# Altium PCB eElements.PcbDoc (continued)
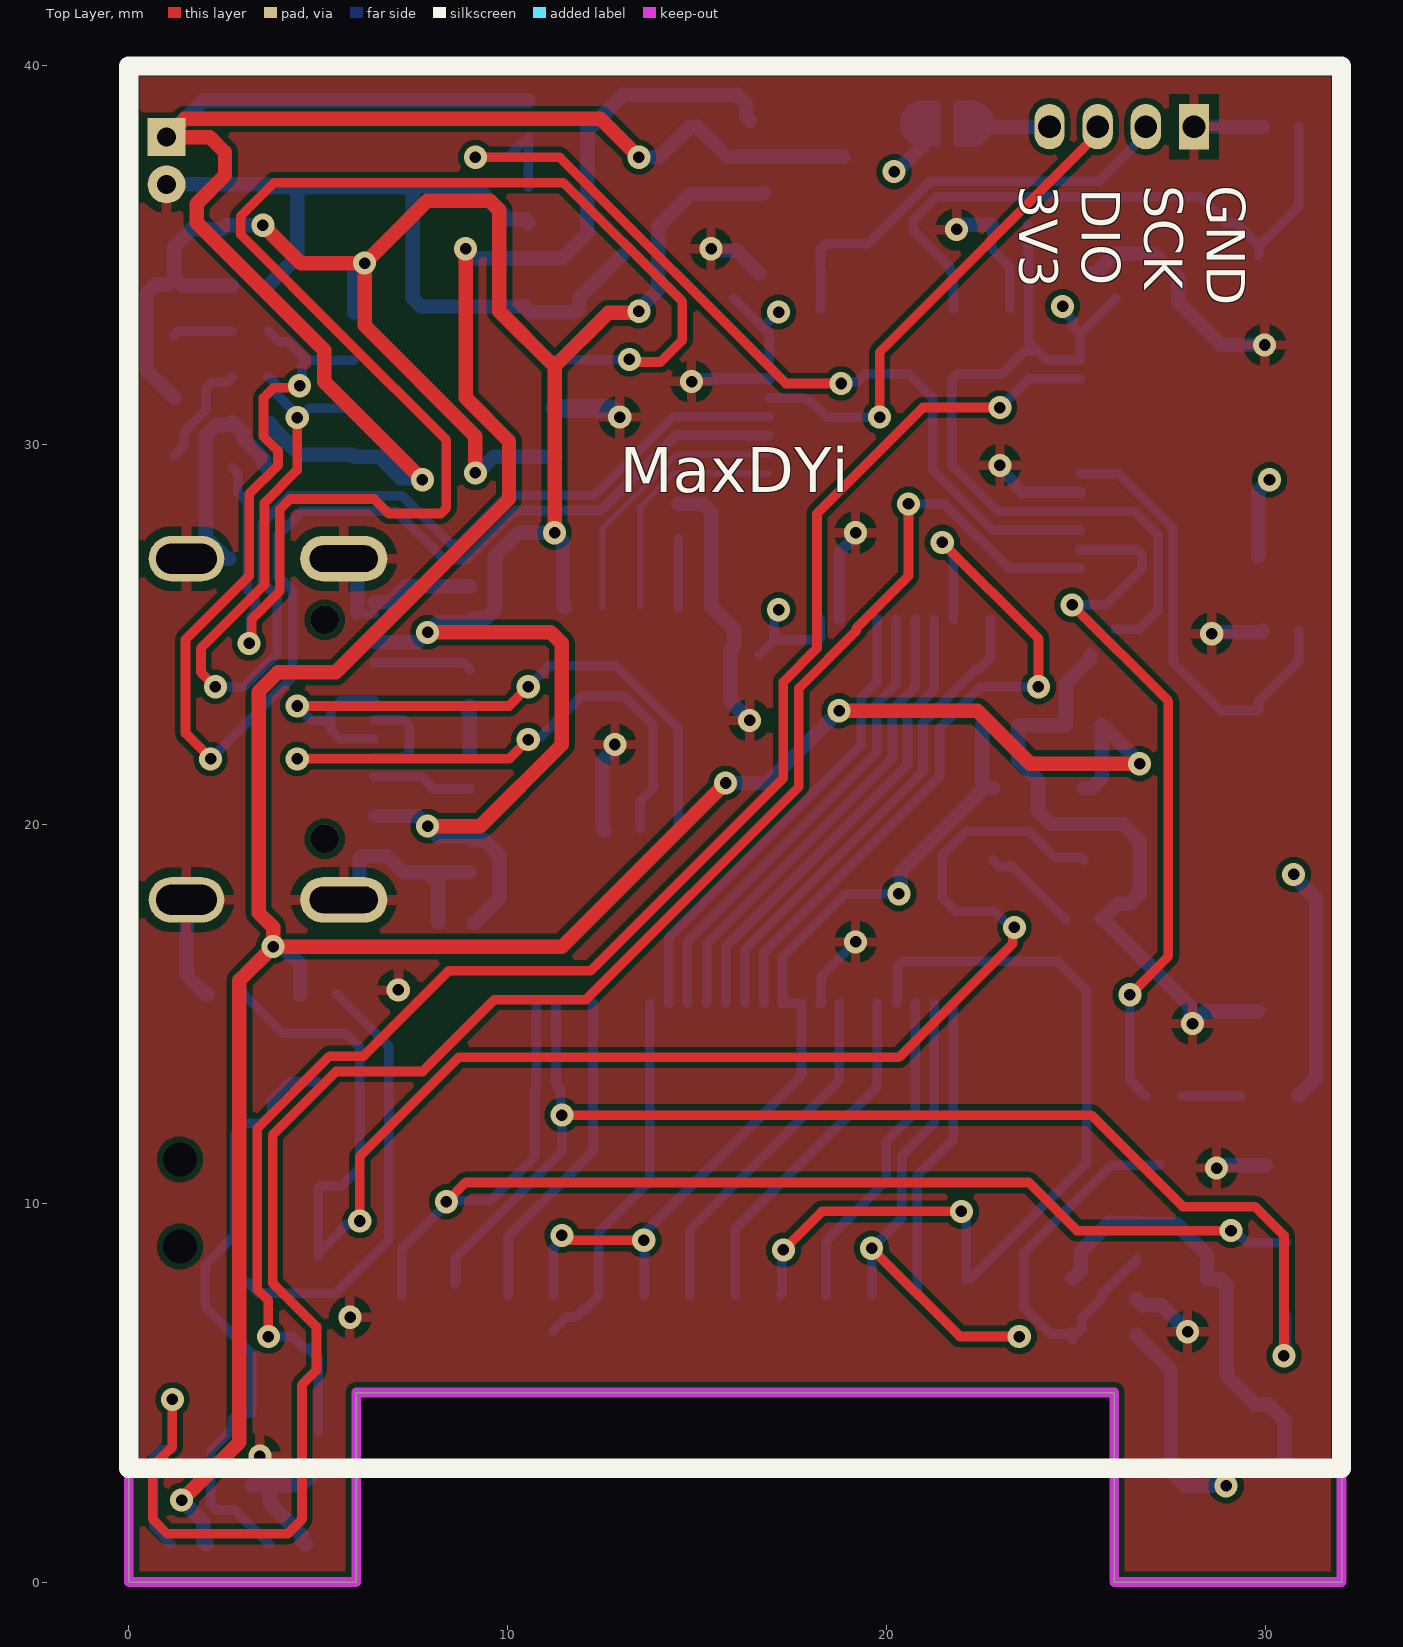
[diagram p0: Top Layer view]
## Footprints (in the part's own frame and the unit in brackets; to place one, negate y for a bottom-side part, rotate by r counter-clockwise, add the part's x,y. Pads: shape width x height; smd on the part's side, far side on the other; paste and mask are expansions set on the pad) (continued)
DEBUG_B [mm] "调试断点焊盘"
  round 0.6 smd paste-0.6: 1(-0.635,0) 2(0.635,0)
  Top Layer region: -0.254,0.508 -0.762,0.508 -0.908,0.479 -1.031,0.396 -1.114,0.273 -1.143,0.127 -1.143,0.127 -1.143,0 -1.104,-0.194 -0.994,-0.359 -0.829,-0.469 -0.635,-0.508 -0.635,-0.508 -0.254,-0.508
  Top Layer region: 0.254,-0.508 0.762,-0.508 0.908,-0.479 1.031,-0.396 1.114,-0.273 1.143,-0.127 1.143,-0.127 1.143,0 1.104,0.194 0.994,0.359 0.829,0.469 0.635,0.508 0.635,0.508 0.254,0.508
  Top Layer lines w0.203: 0.672,-0.507 cw(c0.635,0) 0.635,-0.508 0.254,-0.508 0.254,0.508 0.635,0.508 cw(c0.635,0) 0.672,-0.507 ; -0.254,-0.508 -0.254,0 -0.254,0.508 -0.635,0.508 ccw(c-0.635,0) -0.91,0.427 ccw(c-0.635,0) -1.143,0 ccw(c-0.635,0) -0.635,-0.508 -0.254,-0.508
FPC0.5-WT-24P-上接 [mm]
  rect 2.2x3.3 smd: 0(-7.401,-1.266) 0(7.401,-1.259)
  rect 0.3x1.2 smd: 1(5.75,1.266) 2(5.251,1.266) 3(4.75,1.266) 4(4.25,1.266) 5(3.75,1.266) 6(3.249,1.266) 7(2.749,1.266) 8(2.25,1.266) 9(1.751,1.266) 10(1.25,1.266) 11(0.75,1.266) 12(0.25,1.266) 13(-0.251,1.266) 14(-0.75,1.266) 15(-1.25,1.266) 16(-1.749,1.266) 17(-2.25,1.266) 18(-2.75,1.266) 19(-3.251,1.266) 20(-3.751,1.266) 21(-4.251,1.266) 22(-4.749,1.266) 23(-5.25,1.266) 24(-5.75,1.266)
  silkscreen extent -9,-4.8 9,1.46, body extent -8.8,-4.08 8.8,1.12, height 2.01
HDR1.27-LI-4P [mm] "直插，脚距：1.27mm  封装库来自淘宝卖家 ID：黄晶宝石"
  rect 0.8x1.2 hole 0.6: 1(-1.905,0)
  oval 0.8x1.2 hole 0.6: 2(-0.635,0) 3(0.635,0) 4(1.905,0)
  silkscreen extent -2.67,-1.27 2.67,1.27, body extent -2.54,-1.2 2.54,1.2, height 4.48
LED0603_R [mil] "红色0603LED"
  rect 30x30 smd: 1(-30,0) 2(30,0)
  silkscreen extent -53,-23 61,23, body extent -31,-16 31,16, height 18
LQFP48_M [mm] "Thin QFP, 48-Leads, Body 7x7mm, Pitch 0.5mm, IPC Low Density  联系卖家 免费查找封装"
  oval 2.1x0.3 smd: 1(-4.1,2.75) 2(-4.1,2.25) 3(-4.1,1.75) 4(-4.1,1.25) 5(-4.1,0.75) 6(-4.1,0.25) 7(-4.1,-0.25) 8(-4.1,-0.75) 9(-4.1,-1.25) 10(-4.1,-1.75) 11(-4.1,-2.25) 12(-4.1,-2.75) 25(4.1,-2.75) 26(4.1,-2.25) 27(4.1,-1.75) 28(4.1,-1.25) 29(4.1,-0.75) 30(4.1,-0.25) 31(4.1,0.25) 32(4.1,0.75) 33(4.1,1.25) 34(4.1,1.75) 35(4.1,2.25) 36(4.1,2.75)
  oval 0.3x2.1 smd: 13(-2.75,-4.1) 14(-2.25,-4.1) 15(-1.75,-4.1) 16(-1.25,-4.1) 17(-0.75,-4.1) 18(-0.25,-4.1) 19(0.25,-4.1) 20(0.75,-4.1) 21(1.25,-4.1) 22(1.75,-4.1) 23(2.25,-4.1) 24(2.75,-4.1) 37(2.75,4.1) 38(2.25,4.1) 39(1.75,4.1) 40(1.25,4.1) 41(0.75,4.1) 42(0.25,4.1) 43(-0.25,4.1) 44(-0.75,4.1) 45(-1.25,4.1) 46(-1.75,4.1) 47(-2.25,4.1) 48(-2.75,4.1)
  silkscreen extent -4.23,-2.65 2.65,3.57, body extent -4.5,-4.5 4.5,4.5, height 1.45
MX1.25-W-2P [mm] "长：4.25mm，宽：1.8mm，高：3.3mm"
  rect 1x1 hole 0.5: 1(-0.625,0)
  round 1 hole 0.5: 2(0.625,0)
  silkscreen extent -2.24,-4.19 2.24,0.85, body extent -2.12,-4.05 2.13,0.85, height 3.35
R0402_M [mm] "1/16W贴片电阻"
  rect 0.6x0.55 smd: 1(-0.475,0) 2(0.475,0)
  silkscreen extent -0.97,-0.48 0.97,0.48, body extent -0.5,-0.25 0.5,0.25, height 0.3
R0603_M [mm] "1/10W贴片电阻"
  rect 0.9x0.85 smd: 1(-0.775,0) 2(0.775,0)
  silkscreen extent -1.48,-0.69 1.48,0.69, body extent -0.8,-0.4 0.8,0.4, height 0.4
SOD-323 [mm] "1.8x1.3X0.9mm（长宽高，不包括引脚）联系卖家 免费查找封装"
  rect 1x0.8 smd: 1(-1.4,0)
  oct 1x0.8 smd: 2(1.4,0)
  silkscreen extent -2.11,-0.76 2.11,0.76, body extent -1.32,-0.65 1.32,0.65, height 0.95
SOIC-8_EP [mm] "5*6*1.8mm（长宽高)         联系卖家 免费查找封装"
  oval 1.8x0.61 smd: 1(-2.65,1.905) 2(-2.65,0.635) 3(-2.65,-0.635) 4(-2.65,-1.905) 5(2.65,-1.905) 6(2.65,-0.635) 7(2.65,0.635) 8(2.65,1.905)
  rect 2.413x3.048 smd paste-2: 9(0,0)
  rect 0.9x0.7 on Bottom Paste: 10(-0.625,-1.1) 10(-0.625,0) 10(-0.625,1.1) 11(0.65,-1.1) 11(0.65,0) 11(0.65,1.1)
  silkscreen extent -2.69,-2.5 1.52,3.2, body extent -3,-2.5 3,2.5, height 1.53
SOP10_M [mm] "4.9*6*1.5mm（长宽高）"
  rect 2.1x0.6 smd: 1(-2.921,2)
  oval 2.1x0.6 smd: 2(-2.921,1) 3(-2.921,0) 4(-2.921,-1) 5(-2.921,-2) 6(2.921,-2) 7(2.921,-1) 8(2.921,0) 9(2.921,1) 10(2.921,2)
  silkscreen extent -2.69,-2.5 1.52,3.2, body extent -3,-2.45 3,2.45, height 1.55
SOT23-3N [mm] "SOT23, 3-Leads, Body 2.9x1.3mm, Pitch 0.95mm, Lead Span 2.4mm, IPC Medium Density  联系卖家 免费查找封装"
  rect 1.3x0.6 smd: 1(-1.05,0.95) 2(-1.05,-0.95) 3(1.05,0)
  silkscreen extent -1.18,-1.5 0.7,1.92, body extent -1.2,-1.5 1.2,1.5, height 1.05
SOT-23-5 [mm] "SOT23, 5-Leads, Body 2.9x1.6mm, Pitch 0.95mm, IPC Medium Density"
  rect 1.05x0.6 smd: 1(-1.2,0.95) 2(-1.2,0) 3(-1.2,-0.95) 4(1.2,-0.95) 5(1.2,0.95)
  silkscreen extent -1.32,-1.55 0.3,1.92, body extent -1.4,-1.5 1.4,1.5, height 1.15
"SW 3*6*4.3-S-W" [mm] "侧立贴片3*6*4.3"
  rect 1.1x1.5 smd: 0(-3.575,-0.25) 0(3.575,-0.25)
  round 0 hole 0.9: 0(-1.15,0) 0(1.15,0)
  rect 0.8x1.5 smd: 1(2.1,1.75) 2(-2.1,1.75)
  silkscreen extent -3.9,-1.78 3.9,1.91, body extent -3.9,-1.79 3.9,1.91, height 3.51
"SW SMD-3*6*2.5" [mm] "3*6*2.5mm"
  rect 2x1.5 smd: 1(-3.996,-0.02) 2(3.937,0)
  silkscreen extent -3.21,-1.9 3.09,1.9, body extent -4,-1.75 4,1.75, height 2.59
SWPA4030 [mm] "轮廓4mm*4mm ，焊盘间距1.9mm          淘宝ID:黄晶宝石"
  rect 1.1x3.7 smd: 1(-1.5,0) 2(1.5,0)
  silkscreen extent -2.5,-2.5 2.5,2.5, body extent -2,-2 2,2, height 3
USB-C-SMD_16P [mm] "封装库来自淘宝ID:黄晶宝石"
  oval 1.2x2.3 hole 0.7 slot 1.8 at 90 deg: 0(-4.5,-1.675) 0(4.5,-1.675)
  oval 1.2x2 hole 0.8 slot 1.6 at 90 deg: 0(-4.5,2.475) 0(4.5,2.475)
  rect 0.3x1.15 smd: A1(3.35,-2.473) A4(2.55,-2.471) A5(1.25,-2.475) A6(0.25,-2.475) A7(-0.25,-2.473) A9(-2.55,-2.475) A12(-3.35,-2.475) B1(-3.05,-2.475) B4(-2.25,-2.475) B5(-1.75,-2.475) B6(-0.75,-2.475) B7(0.75,-2.473) B9(2.25,-2.471) B12(3.05,-2.473)
  rect 0.3x1.148 smd: A8(1.75,-2.475) B8(-1.25,-2.475)
  round 0.75 hole 0.75 unplated: ""(-2.89,-1.175) ""(2.89,-1.175)
  silkscreen extent -4.56,-2.75 4.5,5.08, body extent -4.44,-2.87 4.5,5.03, height 3.25

## Part data
C2 C4 C5 C6 C7 C8 C9 C10 C11 C12 C13 C14 C15 C16 C17 C18 C19 C20 C21 C22 C23 C24 C25 C26 C27: library part C, "贴片电容/MLCC电容", BOM名称=无极性贴片电容, 当前库版本V2022.12.25 @淘宝卖家:黄晶宝石=最新版本发布https://shop463601444.taobao.com
D1 D2 D3 D4 D5 D6 D7: library part 1N5819, "肖特基二极管", BOM名称=肖特基二极管, 当前库版本V2022.12.25 @淘宝卖家:黄晶宝石=最新版本发布https://shop463601444.taobao.com
DE1: library part DEBUG, "调试断点焊盘", BOM名称=调试断点焊盘, 联系下单店铺卖家 免费技术支持="联系下单店铺卖家 免费帮你查找封装"
IC1: "锂电池充电管理", BOM名称=锂电池充电管理, 当前库版本V2022.12.25 @淘宝卖家:黄晶宝石=最新版本发布https://shop463601444.taobao.com
JP1: library part EPD-1.54, "2.54寸墨水屏24P连接器（上接点或上下接点24PIN的0.5mmFPC插座）", BOM名称=1.54寸墨水屏, 封装库来自淘宝卖家：黄晶宝石=获取最新版本https://shop463601444.taobao.com
JP2: library part "Header 2", "2P连接器", BOM名称=2P连接器, 联系卖家 免费技术支持=封装库来自淘宝卖家ID：黄晶宝石
JP3: library part "Header 4", "4P连接器", BOM名称=4P连接器, 联系卖家 免费查找封装=唯一出售店铺网址https://shop463601444.taobao.com
L1: library part L, "贴片小功率电感", BOM名称=小功率贴片电感, 联系下单店铺卖家 免费帮你查找封装="联系下单店铺卖家 免费技术支持"
LED1 LED2 LED3: library part LED, "贴片LED", BOM名称=贴片LED, 封装库来自淘宝卖家：黄晶宝石=其他店铺购入均为盗版封装库，无更新权益，请立即申请退款，本店现金奖励200~1000元
Q1 Q3: "N沟道 30V/4.2A", BOM名称=场效应管, 参数="N沟道 30V/4.2A", 联系下单店铺卖家 免费帮你查找封装="联系下单店铺卖家 免费技术支持"
Q2: "P沟道 30V/4.2A", BOM名称=场效应管, 参数="P沟道 30V/4.2A", 联系下单店铺卖家 免费帮你查找封装="联系下单店铺卖家 免费技术支持"
R1 R2 R3 R4 R5 R6 R7 R8 R9 R10 R11 R12 R13 R14 R15 R16 R17 R18 R19: library part R, "贴片电阻", BOM名称=贴片电阻, 联系下单店铺卖家 免费帮你查找封装="联系下单店铺卖家 免费技术支持"
SW1 SW2 SW3: library part SW-PB, "微动开关", BOM名称=3x6轻触开关, 联系下单店铺卖家 免费技术支持="联系下单店铺卖家 免费帮你查找封装"
U1: "Ultra-low-power with FPU Arm Cortex-M4 MCU 80 MHz with 256 Kbytes of Flash memory", Mfr_Name=STMicroelectronics, RefDes=RefDes, Type=Type
U2: "LDO 3.3V/0.3A", BOM名称=RT9193-30GB, 当前库版本V2022.12.25 @淘宝卖家:黄晶宝石=最新版本发布https://shop463601444.taobao.com
U3: "USB转串口芯片, 内置晶振", 封装库来自淘宝卖家：黄晶宝石=其他店铺购入均为盗版封装库，无更新权益，退款现金奖励200~1000元, 当前库版本V2022.12.25 @淘宝卖家:黄晶宝石=最新版本发布https://shop463601444.taobao.com, 芯片厂商=WCH(南京沁恒)
USBC1: library part USB2.0_Type-C_16Pin, "USB2.0_Type-C_16Pin母座", 当前库版本V2022.12.25 @淘宝卖家:黄晶宝石=最新版本发布https://shop463601444.taobao.com

## Via types
v1: diameter 0.61, hole 0.305, Top Layer to Bottom Layer, tented both sides, 73 vias

## Nets (pads, with @x,y where several pads share a name; then routed paths per layer and width w, separated by ;. In a path a pad name is that pad's centre, name@x,y a point inside that pad or via, vN(x,y) a via of type N, cw(c..) or ccw(c..) an arc to the next point about the centre after c; other vN are vias at no path point)
3V3: C11.2 C12.2 C24.2 DE1.1 JP1.15 JP1.16 JP3.4 L1.1 LED1.1 R3.2 SW3.2 U2.5 | length 40.6
  Top Layer w0.254: v1(11.43,9.144) 11.526,9.144 11.653,9.017 v1(13.589,9.017)
  Bottom Layer w0.254: R3.2 11.2,8.818 11.43,9.048 v1(11.43,9.144) ; C11.2 13.6,9.206 17.749,13.355 JP1.16 JP1.15 17.25,16.488 18.923,18.161 v1(20.32,18.161)
  Bottom Layer w0.381: v1(20.32,18.161) 20.364,18.205 20.364,18.739 22.575,20.95 U2.5@22.635,20.95 ; DE1.1@22.135,38.4 JP3.4 ; C24.2 22.525,21.06 U2.5@22.635,20.95 ; U2.5 U2.5@22.635,20.95 ; C12.2 26.6,6.5 27.5,5.6 L1.1 27.5,2.9 27.86,2.54 v1(28.956,2.54) ; SW3.2 29.8,28.784 v1(30.099,29.083) ; v1(30.734,18.669) 30.734,18.624 31.331,18.027 31.331,13.297 LED1.1
BOOT0: R2.1 SW3.1 U1.44 | length 16.5
  Bottom Layer w0.254: U1.44 21.75,34.512 21.679,34.583 21.679,34.678 20.701,35.656 20.701,35.941 21.311,36.551 28.265,36.551 28.947,35.869 29.197,35.869 SW3.1@29.82,35.246 ; SW3.1 SW3.1@29.82,35.246 ; R2.1 30.875,36.301 SW3.1@29.82,35.246
BS1: JP1.8 R3.1 R4.2 | length 9.9
  Bottom Layer w0.254: R3.1 11.2,6.647 11.546,6.993 11.8,6.993 12.009,7.201 12.054,7.201 12.4,7.547 R4.2 12.4,9.225 13.75,10.575 JP1.8
CC1: R10.1 USBC1.A5 | length 2.7
  Bottom Layer w0.254: USBC1.A5 7.714,21.25 8.039,20.925 R10.1
CC2: R11.1 USBC1.B5 | length 2.6
  Bottom Layer w0.254: USBC1.B5 8.825,24.25 8.827,24.248 8.852,24.248 9,24.1 R11.1
CHRG: IC1.7 R7.1 U1.32 | length 37.4
  Top Layer w0.254: v1(2.159,21.717) 2.159,21.739 1.499,22.399 1.499,24.867 3.175,26.543 3.175,28.702 3.937,29.464 3.937,29.845 3.556,30.226 3.556,31.242 3.823,31.509 4.456,31.509 v1(4.509,31.562)
  Bottom Layer w0.254: v1(2.159,21.717) 4.328,23.886 4.328,26.152 3.937,26.543 3.937,27.623 4.565,28.25 7.056,28.25 8.332,26.974 8.91,26.974 10.209,28.272 12.465,28.272 14.443,30.25 U1.32 ; R7.1@3.7,33 3.981,32.719 4.207,32.719 4.504,32.423 ; 4.504,32.422 4.691,32.235 ; v1(4.509,31.562) 4.577,31.63 4.577,32.121 4.691,32.235 ; IC1.7 4.691,32.235
DN: U3.2 USBC1.A7 USBC1.B7 | length 18
  Top Layer w0.254: v1(4.445,21.717) 10.033,21.717 v1(10.541,22.225)
  Bottom Layer w0.254: v1(4.445,21.717) 4.461,21.733 6.456,21.733 USBC1.B7 7.25,21.75 7.399,21.899 7.399,22.601 7.25,22.75 USBC1.A7 ; v1(10.541,22.225) 10.609,22.293 10.863,22.293 11.938,23.368 13.081,23.368 13.843,22.606 13.843,20.951 13.5,20.608 U3.2
DP: U3.1 USBC1.A6 USBC1.B6 | length 17.9
  Top Layer w0.254: v1(4.445,23.114) 10.033,23.114 v1(10.541,23.622)
  Bottom Layer w0.254: v1(4.445,23.114) 4.826,22.733 5.334,22.733 ; USBC1.A6 5.563,22.25 5.334,22.479 5.334,22.733 ; USBC1.B6 5.597,23.25 5.334,22.987 5.334,22.733 ; v1(10.541,23.622) 11.096,24.177 12.847,24.177 14.5,22.524 U3.1
EPD_BUSY: JP1.9 U1.21 | length 12.4
  Bottom Layer w0.254: JP1.9 14.249,17.014 19.329,22.094 19.329,23.34 19.75,23.761 U1.21
EPD_CS: JP1.12 U1.18 | length 12.4
  Bottom Layer w0.254: JP1.12 15.75,16.76 20.549,21.558 20.549,22.835 21.25,23.536 U1.18
EPD_DC: JP1.11 U1.19 | length 12.4
  Bottom Layer w0.254: JP1.11 15.25,16.834 20.142,21.726 20.142,23.003 20.75,23.611 U1.19
EPD_RES: JP1.10 U1.20 | length 12.4
  Bottom Layer w0.254: JP1.10 14.732,15.284 14.732,16.891 19.736,21.895 19.736,23.172 20.25,23.686 U1.20
EPD_SCL: JP1.13 U1.15 | length 12.9
  Bottom Layer w0.254: JP1.13 16.251,16.686 20.955,21.39 20.955,22.667 22.359,24.071 22.428,24.071 22.741,24.384 22.741,25.391 U1.15
EPD_SDA: JP1.14 U1.17 | length 19.3
  Top Layer w0.254: v1(21.463,27.432) 24.003,24.892 v1(24.003,23.622)
  Bottom Layer w0.254: JP1.14 16.75,16.61 21.403,21.263 21.403,22.539 22.485,23.622 v1(24.003,23.622) ; v1(21.463,27.432) 21.75,27.145 U1.17
GDR: JP1.2 Q1.1 R5.2 | length 32.9
  Top Layer w0.254: v1(8.382,10.033) 8.89,10.541 23.749,10.541 25.019,9.271 v1(29.083,9.271)
  Bottom Layer w0.254: R5.2 7.2,8.784 8.413,9.998 8.413,10.064 9.556,10.064 10.719,11.227 10.719,12.995 10.749,13.025 JP1.2 ; v1(29.083,9.271) 29.179,9.271 29.5,8.95 Q1.1
GND: C2.1 C4.1 C5.1 C6.1 C7.1 C8.1 C9.1 C11.1 C12.1 C13.1 C14.1 C15.1 C16.1 C17.1 C18.1 C19.1 C20.1 C21.1 C22.1 C23.1 C24.1 C25.1 C26.2 C27.1 D1.2 IC1.1 IC1.3 JP1.17 JP2.2 JP3.1 Q3.2 R2.2 R4.1 R5.1 R6.1 R9.1 R10.2 R11.2 R12.2 R14.1 R15.2 R17.1 R19.1 SW2.2 U1.8 U1.23 U1.35 U1.47 U2.2 U3.3 USBC1.0 USBC1.A1 USBC1.A12 USBC1.B1 USBC1.B12 | length 103.8
  Bottom Layer w0.254: USBC1.0@5.675,27 USBC1.0@6.027,26.648 ; USBC1.B1@6.027,25.573 6.05,25.55 USBC1.B1 ; JP1.17 18.273,15.289 18.273,15.987 v1(19.177,16.891) ; C5.1 22.766,35.181 23.243,34.704 23.243,33.607 U1.47
  Bottom Layer w0.305: v1(14.851,31.674) 14.934,31.674 15.01,31.75 U1.35 ; U1.23 18.75,27.177 19.177,27.604 v1(19.177,27.686) ; v1(22.987,29.464) 22.987,29.382 23.351,29.018 23.351,28.966 23.566,28.75 U1.8
  Bottom Layer w0.381: JP2.2 3.683,36.875 3.675,36.867 ; USBC1.0@1.525,18 1.525,16.017 2.041,15.5 R15.2 ; 2.654,27 2.583,27 2.032,27.551 2.032,30.252 2.295,30.515 2.64,30.515 C20.1 ; C20.1@2.75,30.6 3.032,30.318 3.032,30.153 3.566,29.619 3.566,29.485 R9.1@3.65,29.4 ; v1(3.46,3.324) 3.46,2.66 3.35,2.55 Q3.2 Q3.2@3.6,2.55 ; C19.1 4.445,34.97 4.445,36.797 ; 3.675,36.797 4.445,36.797 ; R17.1 4.65,1 4.566,1.085 4.566,1.235 3.71,2.091 3.71,2.441 Q3.2@3.6,2.55 ; USBC1.0@4.968,27.378 5.346,27 USBC1.0@5.675,27 ; R19.1 5,3 4.55,2.55 Q3.2@3.6,2.55 ; USBC1.0@5.675,18 5.711,18 6.089,18.378 6.089,19.109 6.129,19.15 USBC1.A1 6.817,19.15 7.242,18.725 7.874,18.725 ; USBC1.B1@6.027,25.573 USBC1.0@6.027,26.648 ; USBC1.A12 6.9,25.85 7.325,26.275 C22.1 ; C27.1 8.161,18.438 7.874,18.725 ; R11.2@8.915,23.016 R11.2@9,23.1 ; C21.1 7.874,18.725 ; R10.2 R11.2@9,23.1 ; R11.2 R11.2@9,23.1 ; R14.1 10.541,35.872 10.456,35.956 10.018,35.956 9.144,36.83 7.145,36.83 7.112,36.797 ; U3.3@12.556,19.823 U3.3 12.5,21.675 12.827,22.002 v1(12.827,22.098) ; R12.2 13,35 11.889,33.889 11.889,33.611 11.783,33.505 10.593,33.505 10.443,33.655 7.716,33.655 7.493,33.878 7.493,36.797 7.112,36.797 ; C26.2@14.5,28.45 15.144,28.45 15.367,28.227 15.367,25.733 C4.1 15.982,25.118 15.982,24.719 15.886,24.624 15.886,23.23 v1(16.383,22.733) ; v1(15.367,35.179) 15.411,35.135 16.036,35.135 C7.1 ; v1(21.844,35.687) 21.971,35.814 C5.1 ; C8.1 25.364,24.345 24.725,23.705 C23.1 C24.1 23.475,21.682 24.003,21.154 24.003,20.32 24.323,20 U2.2 26.228,20 26.67,19.558 26.67,18.161 26.401,17.892 26.092,17.892 C25.1@25.7,17.5 ; C6.1 25.382,34.518 25.501,34.518 26.035,35.052 27.051,35.052 27.686,34.417 27.686,33.782 28.829,32.639 v1(29.972,32.639) ; C25.1 C25.1@25.7,17.5 ; C12.1 26.6,7.45 26.748,7.302 27.242,7.302 v1(27.94,6.604) ; JP3.1 R2.2 ; v1(28.575,25.019) 28.616,25.06 29.884,25.06 C2.1 ; v1(28.702,10.922) 28.78,11 D1.2 ; SW2.2 28.398,15.063 v1(28.067,14.732) 28.023,14.776 28.023,15.177 C25.1@25.7,17.5 ; 4.445,36.797 5.14,36.797 7.112,36.797
  Bottom Layer w0.508: IC1.3 12.696,30.965 12.927,30.734 v1(12.954,30.734)
  other v1: 5.842,6.985 7.112,15.621
KEY1: Q3.3 R16.1 U1.12 | length 54.4
  Top Layer w0.254: v1(1.15,4.819) 1.15,3.571 0.635,3.056 0.635,1.651 1.016,1.27 4.191,1.27 4.572,1.651 4.572,5.207 4.953,5.588 4.953,6.731 3.797,7.887 3.797,11.798 5.469,13.47 7.755,13.47 9.652,15.367 12.065,15.367 17.678,20.98 17.678,23.581 19.194,25.096 19.194,25.163 20.574,26.543 v1(20.574,28.448)
  Bottom Layer w0.254: R16.1 1.1,1 0.952,1.148 0.952,1.173 0.66,1.465 0.66,3.327 0.833,3.5 Q3.3 v1(1.15,4.819) v1@1.143,4.826 ; v1(20.574,28.448) 21.523,28.448 23.221,26.75 U1.12
LDO_EN: D6.2 D7.2 R15.1 U2.3 | length 40.7
  Top Layer w0.254: v1(6.096,9.525) 6.096,11.236 8.703,13.843 20.32,13.843 23.328,16.851 23.328,17.232 v1(23.368,17.272)
  Bottom Layer w0.254: R15.1 3.041,15.5 4.063,14.478 5.715,14.478 6.096,14.097 6.096,10.922 5.632,10.458 5.058,10.458 D6.2 D7.2@5,8.7 ; D7.2 5,8.667 5.79,9.457 6.028,9.457 v1(6.096,9.525) ; v1(23.368,17.272) 23.272,17.272 22.845,17.699 21.82,17.699 21.463,18.056 21.463,19.173 22.102,19.812 23.749,19.812 24.443,19.118 25.132,19.118 U2.3
LED_GREEN: R1.1 U1.11 | length 18.9
  Top Layer w0.254: v1(24.892,25.781) 27.432,23.241 27.432,16.51 v1(26.416,15.494)
  Bottom Layer w0.254: v1(24.892,25.781) 25.781,25.781 26.746,26.746 26.746,27.092 26.597,27.241 25.109,27.241 U1.11 ; v1(26.416,15.494) 26.416,13.241 26.657,13 26.657,12.975 26.805,12.827 R1.1
NetC9_2: C9.2 JP1.5 | length 8.6
  Bottom Layer w0.254: C9.2 10.009,7.581 10.009,9.12 12.25,11.361 JP1.5
NetC10_1: C10.1 D3.1 L1.2 Q1.3 | length 11.7
  Bottom Layer w0.381: D3.1 24.914,8 25.123,8.21 25.123,8.723 25.875,9.475 C10.1 26.625,9.45 27.634,9.45 28.45,8.634 Q1.3 28.8,8 28.973,7.827 28.973,5.444 29.743,4.674 30.077,4.674 30.5,4.251 L1.2
NetC10_2: C10.2 D1.1 D2.2 | length 10.4
  Bottom Layer w0.254: D2.2 24.754,6.546 24.315,6.546 23.622,7.239 23.622,8.696 25.926,11 D1.1 ; D2.2@24.9,6.6 25.074,6.6 25.147,6.673 25.147,6.952 25.679,7.484 25.679,7.604 26.427,8.352 26.452,8.352 26.6,8.5 C10.2
NetC13_2: C13.2 JP1.18 | length 9.3
  Bottom Layer w0.254: C13.2 14.8,9.294 18.75,13.244 JP1.18
NetC14_2: C14.2 JP1.20 | length 9.2
  Bottom Layer w0.254: C14.2 16,9.319 19.751,13.07 JP1.20
NetC16_2: C16.2 JP1.22 | length 8.7
  Bottom Layer w0.254: C16.2 18.4,9.002 19.987,10.589 19.987,11.619 20.749,12.381 JP1.22
NetC18_2: C18.2 JP1.24 | length 8.1
  Bottom Layer w0.254: C18.2 20.8,10.72 21.75,11.67 JP1.24
NetC25_2: C25.2 U2.4 | length 2.6
  Bottom Layer w0.254: U2.4 22.973,18.877 23.323,18.877 24.7,17.5 C25.2
NetC26_1: C26.1 U3.10 | length 1.8
  Bottom Layer w0.254: U3.10 C26.1
NetD6_1: D6.1 Q3.1 R17.2 SW1.1 | length 16.2
  Bottom Layer w0.254: R17.2 3.7,1 2.795,1.905 2.316,1.905 2.159,2.062 2.159,3.46 2.727,4.028 2.727,4.277 2.9,4.45 Q3.1 3.25,6.021 2.032,7.239 2.032,7.373 2.021,7.384 2.021,8.371 2.8,9.15 2.8,11.827 3.073,12.1 3.5,12.1 3.773,12.373 3.773,12.723 4.25,13.2 D6.1
NetIC1_2: IC1.2 R9.2 | length 41.5
  Top Layer w0.254: v1(3.175,24.765) 3.243,24.833 3.243,25.401 3.988,26.146 3.988,28.305 4.258,28.575 6.477,28.575 6.858,28.194 8.233,28.194 8.382,28.343 8.382,30.129 5.643,32.867 2.955,35.555 2.955,36.039 3.835,36.919 11.468,36.919 14.605,33.782 14.605,32.766 14.029,32.19 13.276,32.19 v1(13.208,32.258)
  Bottom Layer w0.254: R9.2 2.731,29.4 2.879,29.252 2.879,28.744 3.124,28.499 3.124,26.206 3.338,25.993 3.338,25.578 3.211,25.451 3.211,24.801 v1(3.175,24.765) ; IC1.2 11.262,32.246 13.196,32.246 v1(13.208,32.258)
NetLED1_2: LED1.2 R1.2 | length 1.6
  Bottom Layer w0.254: R1.2 LED1.2
NetLED2_2: LED2.2 R7.2 | length 1.6
  Bottom Layer w0.254: LED2.2 1.307,33 R7.2
NetLED3_2: LED3.2 R8.2 | length 2.9
  Bottom Layer w0.254: LED3.2 1.454,29.972 1.454,30.339 2.032,30.917 2.032,31.496 2.188,31.652 2.577,31.652 R8.2
NetR18_2: R18.2 SW1.2 | length 11.5
  Bottom Layer w0.254: SW1.2@3.15,7.9 3.423,7.627 3.93,7.627 3.937,7.62 5.461,7.62 6.858,9.017 6.858,14.142 5.5,15.5 R18.2
NRST: C2.2 SW2.1 U1.7 | length 11.9
  Bottom Layer w0.254: U1.7 25.109,29.241 26.116,29.241 27.559,27.798 27.559,24.257 28.82,22.996 SW2.1 29.82,23.246 30.875,24.301 C2.2
OPAMP_IN: R13.1 R14.2 U1.10 | length 24.3
  Top Layer w0.254: v1(9.144,37.592) 11.37,37.592 17.339,31.623 v1(18.796,31.623)
  Bottom Layer w0.254: v1(9.144,37.592) 10,37.592 10.368,37.96 10.393,37.96 R13.1@10.541,38.108 ; R14.2 R13.1@10.541,38.108 ; R13.1 R13.1@10.541,38.108 ; v1(18.796,31.623) 18.836,31.663 19.217,31.663 19.431,31.877 20.574,31.877 21.209,31.242 21.209,29.337 22.796,27.75 U1.10
PREVGH: C15.2 D3.2 JP1.21 | length 23.5
  Top Layer w0.254: v1(17.272,8.763) 18.288,9.779 v1(21.971,9.779)
  Bottom Layer w0.254: C15.2 17.236,7.608 17.236,8.727 v1(17.272,8.763) ; JP1.21 20.274,15.289 20.274,16.234 20.423,16.383 24.511,16.383 25.273,15.621 25.273,11.071 25.124,10.922 25.122,10.922 22.2,8 D3.2 22.1,9.65 v1(21.971,9.779)
PREVGL: C17.2 D2.1 JP1.23 | length 14.5
  Top Layer w0.254: v1(19.6,8.805) 21.928,6.477 v1(23.495,6.477)
  Bottom Layer w0.254: C17.2 v1(19.6,8.805) 20.394,9.599 20.394,11.249 21.25,12.105 JP1.23 ; D2.1@22.231,6.477 v1(23.495,6.477)
PWR_LDO: D7.1 R19.2 U1.2 | length 42.6
  Top Layer w0.254: v1(3.683,6.477) 3.683,7.426 3.391,7.718 3.391,11.967 5.301,13.876 6.194,13.876 8.446,16.129 12.192,16.129 17.272,21.209 17.272,23.749 18.161,24.638 18.161,28.194 20.955,30.988 v1(22.987,30.988)
  Bottom Layer w0.254: v1(3.683,6.477) 4.323,6.477 4.627,6.173 4.727,6.173 5,5.9 D7.1 R19.2 ; v1(22.987,30.988) 23.749,31.75 U1.2
RESE: JP1.3 Q1.2 R6.2 | length 33.3
  Top Layer w0.254: v1(11.43,12.319) 25.4,12.319 27.813,9.906 29.718,9.906 30.48,9.144 v1(30.48,5.969)
  Bottom Layer w0.254: R6.2 8.621,7.893 8.621,8.554 9.725,9.658 11.43,11.363 v1(11.43,12.319) 11.4,12.349 11.4,13.005 11.273,13.132 11.273,15.243 JP1.3 ; v1(30.48,5.969) 30.55,6.039 Q1.2
STDBY: IC1.6 R8.1 U1.33 | length 32.4
  Top Layer w0.254: v1(2.286,23.622) 1.905,24.003 1.905,24.638 3.581,26.314 3.581,28.473 4.445,29.337 v1(4.445,30.722)
  Bottom Layer w0.254: v1(2.286,23.622) 3.048,23.622 3.922,24.496 3.922,25.983 3.531,26.375 3.531,27.94 4.247,28.657 7.224,28.657 8.501,27.38 8.711,27.38 10.01,28.679 12.297,28.679 14.368,30.75 U1.33 ; R8.1 3.7,31.8 3.848,31.652 3.848,31.397 4.445,30.8 v1(4.445,30.722) ; v1@4.527,30.734 4.758,30.965 IC1.6
SWCLK: JP3.2 U1.37 | length 11.6
  Bottom Layer w0.254: U1.37 18.259,33.609 U1.37@18.259,34.616 ; U1.37@18.25,34.616 18.25,35.157 18.399,35.306 19.491,35.306 21.142,36.957 25.592,36.957 26.835,38.2 JP3.2
SWDIO: JP3.3 U1.34 | length 13.2
  Top Layer w0.254: v1(19.812,30.734) 19.812,32.447 25.565,38.2 JP3.3
  Bottom Layer w0.254: U1.34 17.812,31.25 17.883,31.179 17.978,31.179 18.423,30.734 v1(19.812,30.734)
UART1_RX: U1.31 U3.8 | length 7.3
  Bottom Layer w0.152: U3.8 12.5,27.804 14.446,29.75 U1.31
UART1_TX: U1.30 U3.9 | length 6.4
  Bottom Layer w0.152: U3.9 13.5,28.373 14.377,29.25 U1.30
VBAT: C20.2 D5.1 IC1.5 JP2.1 Q2.3 R13.2 | length 46.9
  Top Layer w0.381: v1(7.747,29.083) 5.157,31.673 5.157,32.497 1.794,35.86 1.794,36.368 2.54,37.114 2.54,37.719 2.134,38.125 JP2.1 1.483,38.608 12.446,38.608 v1(13.462,37.592)
  Bottom Layer w0.381: JP2.1 1.958,39.083 R13.2 ; C20.2@3.721,30.579 3.784,30.515 3.784,30.467 4.512,29.739 5.906,29.739 IC1.5 6.607,29.695 7.175,29.127 7.703,29.127 v1(7.747,29.083) ; v1(13.462,37.592) 13.992,37.592 14.8,38.4 D5.1 15,38.4 15.8,37.6 Q2.3
VBUS: C19.2 C21.2 C22.2 C27.2 D4.1 IC1.4 IC1.8 LED2.1 LED3.1 Q2.1 R12.1 U3.7 USBC1.A4 USBC1.A9 USBC1.B4 USBC1.B9 | length 69.8
  Top Layer w0.381: v1(3.539,35.797) 4.539,34.798 v1(6.223,34.798) ; v1(7.885,19.943) 9.275,19.943 11.43,22.098 11.43,24.765 11.303,24.892 11.137,25.058 v1(7.886,25.058) ; v1(9.144,29.263) 9.144,30.234 6.223,33.155 v1(6.223,34.798) ; v1(11.235,27.686) 11.235,32.072 ; v1(13.462,33.528) 13.418,33.484 12.647,33.484 11.235,32.072 ; v1(6.223,34.798) 7.874,36.449 9.525,36.449 9.779,36.195 9.779,33.528 11.235,32.072
  Bottom Layer w0.381: LED3.1 0.47,31.972 0.47,34.003 0.693,34.227 1.01,34.227 LED2.1 ; C19.2 1.417,34.2 LED2.1 ; v1(3.539,35.797) 2.583,35.797 2.473,35.687 1.651,35.687 1.2,35.236 LED2.1 ; IC1.8 5.95,34.525 v1(6.223,34.798) ; USBC1.B9@6.51,20.21 7.617,20.21 v1(7.885,19.943) 8.153,19.675 C21.2 9,19.65 9.085,19.565 9.391,19.565 9.779,19.177 9.779,18.042 9.136,17.399 C27.2 ; USBC1.B4@6.515,24.791 7.619,24.791 v1(7.886,25.058) 8.153,25.325 C22.2 9,25.35 9.085,25.435 9.429,25.435 9.652,25.658 9.652,27.051 10.287,27.686 v1(11.235,27.686) 11.458,27.463 11.458,25.763 U3.7 ; v1(9.144,29.263) 9.206,29.263 9.638,29.695 IC1.4 ; v1(13.462,33.528) 13.462,33.59 13.975,34.103 13.975,35.775 14.825,36.625 16.725,36.625 Q2.1
VDD: C4.2 C5.2 C6.2 C7.2 C8.2 DE1.2 U1.1 U1.9 U1.24 U1.36 U1.48 | length 29.3
  Bottom Layer w0.254: C7.2 16.734,33.094 ; C4.2 17.033,24.861 ; U1.36 16.9,32.928 16.734,33.094 ; v1(17.145,25.654) 17.033,25.542 17.033,24.861 ; v1(17.145,33.505) 16.734,33.094 ; U1.24 18.25,24.902 18.21,24.861 17.033,24.861 ; 20.828,37.893 20.828,37.973 20.828,37.974 20.828,37.989 20.828,38.363 DE1.2@20.865,38.4 ; C5.2 23.716,35.111 23.75,35.077 U1.48 23.75,32.7 23.975,32.475 ; v1(24.638,33.655) 24.638,33.559 24.92,33.276 24.92,33.108 25.1,32.928 ; C8.2 26.245,25.136 26.263,25.154 26.281,25.136 26.66,25.136 27.153,25.629 27.153,27.628 26.531,28.25 U1.9 22.931,28.25 21.717,29.464 21.717,31.728 21.866,31.877 23.034,31.877 23.632,32.475 23.975,32.475 ; C6.2 25.1,32.928 ; 23.975,32.475 24.2,32.25 U1.1 25.1,32.928
  Bottom Layer w0.381: v1(20.193,37.211) 20.255,37.211 20.918,37.874 20.918,37.974
VIN: C23.2 D4.2 D5.2 Q2.2 R16.2 R18.1 U2.1 | length 82.4
  Top Layer w0.381: v1(1.397,2.159) 2.921,3.683 2.921,15.875 v1(3.81,16.764) ; v1(8.89,35.179) 8.89,31.242 10.033,30.099 10.033,28.575 5.461,24.003 3.937,24.003 3.429,23.495 3.429,17.653 3.81,17.272 v1(3.81,16.764) ; v1(15.748,21.082) 11.43,16.764 v1(3.81,16.764) ; v1(18.745,22.987) 22.385,22.987 23.782,21.59 v1(26.67,21.59)
  Bottom Layer w0.381: v1(1.397,2.159) 1.966,1.59 1.966,1.085 2.05,1 R16.2 ; v1(3.81,16.764) 4.064,16.764 4.525,16.303 R18.1 ; v1(8.89,35.179) 9.144,34.925 11.43,34.925 12.1,35.595 D4.2 D5.2 12.2,38.4 13.043,39.243 16.057,39.243 16.29,39.01 16.29,38.659 Q2.2@16.4,38.55 ; v1(15.748,21.082) 16.84,21.082 v1(18.745,22.987) ; U2.1 25.425,20.95 25.675,21.2 C23.2 25.7,22.6 26.67,21.63 v1(26.67,21.59)
pads on no net: IC1.9 IC1.10 IC1.11 JP1.0 JP1.1 JP1.4 JP1.6 JP1.7 JP1.19 SW1.0 U1.3 U1.4 U1.5 U1.6 U1.13 U1.14 U1.16 U1.22 U1.25 U1.26 U1.27 U1.28 U1.29 U1.38 U1.39 U1.40 U1.41 U1.42 U1.43 U1.45 U1.46 U3.4 U3.5 U3.6 USBC1. USBC1.A8 USBC1.B8

## Polygon pours and split planes (outlines as drawn)
GND on Bottom Layer "GND_L04_P000" (solid, remove dead copper, pour order 0): 0,0 32.004,0 32.004,40.259 31.877,40.132 0,40.132
GND on Top Layer "GND_L01_P001" (solid, remove dead copper, pour order 1): 0,40.005 0,0 32.004,0 32.004,39.878 31.877,40.005
GND on GND (split plane): 31.49,0.51 26.51,0.51 26.51,5 26.501,5.1 26.472,5.195 26.424,5.284 26.361,5.361 26.284,5.424 26.195,5.472 26.1,5.501 26,5.51 6,5.51 5.9,5.501 5.805,5.472 5.716,5.424 5.639,5.361 5.576,5.284 5.528,5.195 5.499,5.1 5.49,5 5.49,0.51 0.51,0.51 0.51,39.49 31.49,39.49
3V3 on PWR (split plane): 31.49,0.51 26.51,0.51 26.51,5 26.501,5.1 26.472,5.195 26.424,5.284 26.361,5.361 26.284,5.424 26.195,5.472 26.1,5.501 26,5.51 6,5.51 5.9,5.501 5.805,5.472 5.716,5.424 5.639,5.361 5.576,5.284 5.528,5.195 5.499,5.1 5.49,5 5.49,0.51 0.51,0.51 0.51,39.49 31.49,39.49
VDD on PWR (split plane): 22.858,38.046 22.858,35.941 22.867,35.891 22.895,35.849 23.657,35.087 23.699,35.059 23.749,35.05 25.346,35.05 26.541,33.855 26.541,24.565 25.981,24.005 15.802,24.005 15.496,24.311 15.496,30.045 16.094,30.642 16.122,30.684 16.131,30.734 16.131,33.982 17.237,35.087 17.265,35.129 17.274,35.179 17.274,38.046 17.58,38.352 22.552,38.352
VDD on PWR (split plane): 24.255,32.331 24.255,27.559 24.264,27.509 24.292,27.467 25.779,25.981 25.779,25.327 25.346,24.894 23.803,24.894 22.571,26.127 22.529,26.155 22.479,26.164 18.215,26.164 17.147,27.232 17.147,31.823 18.215,32.891 23.695,32.891

## Keep-outs
Keep-Out Layer:
  the board outline again, w0.254

## Other copper
PWR (plane layer: these items are gaps in the copper):
  lines w0.254: 23.622,33.02 23.749,33.02 24.384,32.385 24.384,27.559 25.908,26.035 25.908,25.273 25.4,24.765 23.749,24.765 22.479,26.035 18.161,26.035 17.018,27.178 17.018,31.877 18.161,33.02 23.685,33.02 ; 15.367,24.257 15.367,30.099 16.002,30.734 16.002,34.036 17.145,35.179 17.145,38.1 17.526,38.481 22.606,38.481 22.987,38.1 22.987,35.941 23.749,35.179 25.4,35.179 26.67,33.909 26.67,24.511 26.035,23.876 15.748,23.876 15.367,24.257

## Silkscreen, mask and mechanical layers (free items; w line width, h text height)
Top Overlay:
  lines w0.508: 0,3 32,3 32,40 0,40 0,3
  text "3V3" at 23.492,36.854 h1.02 r270
  text "SCK" at 26.792,36.854 h1.02 r270
  text "GND" at 28.441,36.854 h1.02 r270
  text "DIO" at 25.142,36.77 h1.02 r270
  text "MaxDYi" at 12.949,28.36 h2.03
Bottom Overlay:
  text "BAT" at 9.282,37.957 h2.03
  text "DIO" at 28.321,36.83 h1.02 r90
  text "3V3" at 23.354,36.492 h1.02
  text "GND" at 31.754,36.492 h1.02
  text "GND" at 9.43,35.926 h2.03
  text "SCK" at 26.954,35.692 h1.02
  text "BOOT" at 27.65,33.54 h2.03 r90
  text "RST" at 27.649,20.732 h2.03 r90
  text "1" at 10.419,16.492 h1.02
  text "24" at 22.596,16.492 h1.02